# Altium PCB uTCA_MCH_PCB3.pcbdoc (part 22 of 25) (continued)
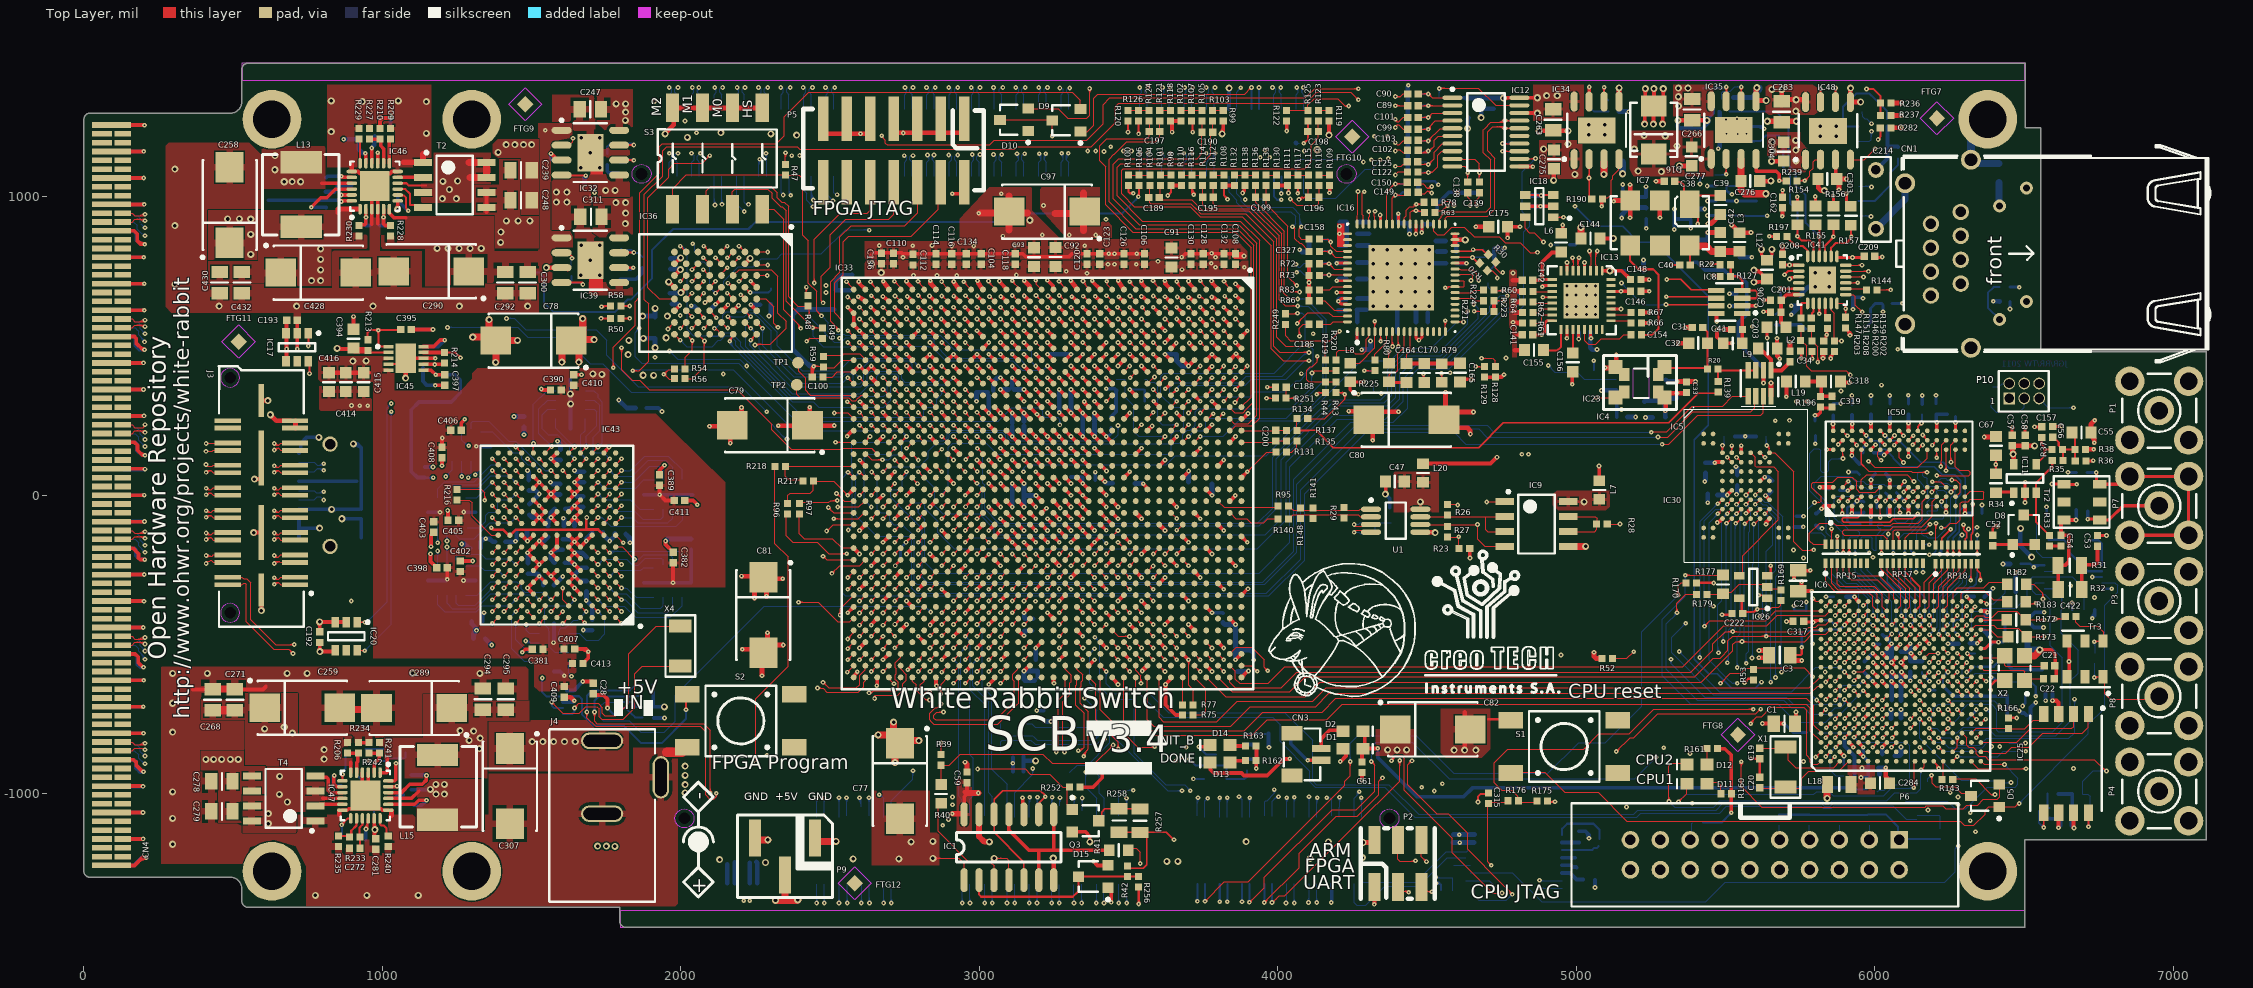
[diagram p0: Top Layer view]
## Nets (pads, with @x,y where several pads share a name; then routed paths per layer and width w, separated by ;. In a path a pad name is that pad's centre, name@x,y a point inside that pad or via, vN(x,y) a via of type N, cw(c..) or ccw(c..) an arc to the next point about the centre after c; other vN are vias at no path point) (continued)
  Bottom Layer w3.94: v1@4879.31,-1316.57 IC31.8@4952.2,-1316.57 ; v1@4880.41,-1320.99 cw(c4891.07,-1331.65) 4891.07,-1316.57 ; v1@4880.41,-1312.63 ccw(c4889.91,-1303.13) 4889.91,-1316.57
  other v1: 4876.23,-1316.81 4498.05,-1227.35
RS232_FPGA_TXD: IC31.7 P2.4 | length 775.6
  Top Layer w3.94: P2.4@4402.03,-1140.2 4402.03,-1219.63 4408.58,-1226.18 4459.33,-1226.18 v1(4460.98,-1224.53) ; 4442.74,-1226.18 ccw(c4442.74,-1206.29) v1@4456.8,-1220.35 ; 4450.71,-1226.18 cw(c4450.71,-1234.8) v1@4456.8,-1228.71 ; 4452.24,-1226.18 ccw(c4452.24,-1215.79) v1@4459.59,-1223.14
  MidLayer4 w3.94: v1@4460.32,-1225.85 4460.32,-1223.83 4484.06,-1200.09 4573.17,-1200.09 4663.05,-1289.97 v1@4875.24,-1289.97 ; v1@4460.98,-1218.62 ccw(c4460.98,-1207.65) 4468.74,-1215.41 ; v1@4466.89,-1224.53 cw(c4484.43,-1224.53) 4472.02,-1212.13 ; 4862.16,-1289.97 ccw(c4862.16,-1275.47) v1@4872.41,-1285.72 ; 4862.5,-1289.97 cw(c4862.5,-1303.99) v1@4872.41,-1294.08
  Bottom Layer w3.94: v1@4880.16,-1290.98 IC31.7@4952.2,-1290.98 ; v1@4880.77,-1294.08 cw(c4888.24,-1301.55) 4888.24,-1290.98 ; v1@4880.77,-1285.72 ccw(c4893.45,-1273.04) 4893.45,-1290.98
  other v1: 4876.59,-1289.9
RS232_MNG.RS232_MNG_RXD: IC31.13 J2.3 | length 508.2
  Bottom Layer w3.94: J2.3@4255.12,-1301.77 4255.12,-1365.56 4263.54,-1373.98 4293.95,-1373.98 4358.05,-1309.88 4471.81,-1309.88 4567.2,-1214.49 IC31.13@4629.96,-1214.49
RS232_MNG.RS232_MNG_TXD: IC31.14 J2.1 | length 406.8
  Bottom Layer w3.94: J2.1@4279.98,-1290.22 4285.88,-1296.12 4461.37,-1296.12 4563.42,-1194.07 4632.77,-1194.07 IC31.14@4639.32,-1187.52
RX_ER: IC6.N5 R146.1 R200.1 | length 2331.1
  Top Layer w3.94: R200.1@5826.57,517.2 5839,529.63 ; R200.1@5826.58,517.21 ccw(c5810.07,533.71) v1@5833.16,537.13 ; R200.1@5832.11,522.74 ccw(c5819.7,535.14) v1@5837.05,537.71 ; v1@5834.82,542.18 ccw(c5824.23,552.77) R146.1@5839.21,552.77 ; v1@5837.02,532.44 cw(c5836.02,529.63) 5839,529.63 ; R200.1@5837.64,528.27 ccw(c5829.34,536.57) v1@5840.95,538.29 ; R146.1@5839.21,551.74 ccw(c5852.74,551.74) v1@5843.18,542.18 ; R146.1@5839.21,559.76 5839.21,538.21 v1(5839,538) 5839,529.63 ; v1@5840.98,532.44 ccw(c5841.98,529.63) 5839,529.63 ; v1@6181.81,-755.37 cw(c6181.81,-769.63) 6191.89,-759.55 cw(c6201.97,-749.46) v1@6187.72,-749.46 ; v1(6181.81,-749.46) IC6.N5@6197.56,-765.21
  MidLayer1 w3.94: v1@5834.82,533.82 cw(c5824.74,523.74) 5839,523.74 cw(c5853.26,523.74) v1@5843.18,533.82 ; v1(5839,538) 5839,519.31 5868.84,489.47 6076.18,489.47 v1@6077.36,490.65 ; 6061.61,489.47 cw(c6061.61,473.61) v1@6072.82,484.82 ; 6063.88,489.47 ccw(c6063.88,502.12) v1@6072.82,493.18
  MidLayer4 w3.94: v1@6077,483.09 cw(c6077,468.84) 6087.08,478.92 cw(c6097.16,489) v1@6082.91,489 ; v1(6077,489) 6337.89,228.11 6401.23,228.11 6534.81,94.53 6534.81,-133.3 6494.86,-173.25 6494.86,-627.14 v1(6417,-705) ; v1@6417,-699.09 ccw(c6417,-684.84) 6427.08,-694.92 ccw(c6437.16,-705) v1@6422.91,-705
  Bottom Layer w3.94: v1@6181.81,-747.5 ccw(c6181.81,-737.46) 6188.91,-744.56 ; v1@6181.81,-743.56 ccw(c6181.81,-724.02) 6195.63,-737.84 ; v1@6184,-749.46 6198,-735.46 6198,-713.77 6211.52,-700.25 6250.5,-700.25 6262.75,-688 6400,-688 v1(6417,-705) ; v1@6187.72,-749.46 cw(c6196.69,-749.46) 6190.34,-743.12 ; v1@6411.09,-705 ccw(c6396.84,-705) 6406.92,-694.92 ccw(c6417,-684.84) v1@6417,-699.09
RXD0: IC6.N3 R151.1 R208.1 | length 2693.9
  Top Layer w3.94: R151.1@5789.02,558.66 5789.02,517.76 R208.1@5789.53,517.24 5808.86,497.91 5808.86,446.14 v1(5809,446) ; v1@5804.82,450.18 ccw(c5795.09,459.91) 5808.86,459.91 ; 5808.86,460.6 ccw(c5823.6,460.6) v1@5813.18,450.18 ; v1@6181.8,-818.36 cw(c6181.8,-832.64) 6191.9,-822.54 ; v1(6181.8,-812.45) IC6.N3@6197.56,-828.2 ; v1@6187.7,-812.45 ccw(c6201.93,-812.45) 6191.87,-822.52
  MidLayer2 w3.94: v1@5809.8,445.2 v1(5809,446) 5809,427.32 5818.39,417.93 5939.19,417.93 ; 5939.91,417.68 5974.6,383 6304.49,383 6434.76,252.73 6563.41,252.73 6619.45,196.69 6619.45,23.14 6686.8,-44.2 6686.8,-699.74 6557,-829.54 v1@6509.33,-829.54 ; v1@6509.14,-834.2 cw(c6520.38,-845.44) 6520.38,-829.54 ; v1@6509.14,-825.84 ccw(c6518.06,-816.92) 6518.06,-829.54
  Bottom Layer w3.94: v1@6181.8,-818.36 cw(c6181.8,-842.15) 6198.62,-825.33 ; v1@6181.8,-814.42 cw(c6181.8,-828.71) 6191.9,-818.61 ; v1(6181.8,-812.45) 6185.75,-812.45 6201.5,-828.2 6229.06,-828.2 6246.77,-845.92 6358.98,-845.92 6376.69,-828.2 6447.56,-828.2 6450.16,-830.81 v1@6506.54,-830.81 ; v1@6187.7,-812.45 ccw(c6192.43,-812.45) 6189.09,-815.8 ; 6488.8,-830.81 ccw(c6488.8,-813.86) v1@6500.78,-825.84 ; 6492.61,-830.81 cw(c6492.61,-842.37) v1@6500.78,-834.2
  other v1: 6504.96,-830.02
RXD1: IC6.P2 R147.1 R203.1 | length 2273.8
  Top Layer w3.94: R203.1@5752.91,518.43 5771,500.34 5771,433 5786.5,417.5 5903.5,417.5 v1(5918,403) ; R203.1@5753.19,518.7 R147.1@5753.19,558.9 ; v1@5912.09,403 ccw(c5897.84,403) 5907.92,413.08 ccw(c5918,423.16) v1@5918,408.91 ; v1@6213.31,-849.86 cw(c6213.31,-864.12) 6223.39,-854.03 cw(c6233.47,-843.95) v1@6219.21,-843.95 ; v1(6213.31,-843.95) IC6.P2@6229.06,-859.7
  MidLayer4 w3.94: v1@5919.13,405.63 5922.81,401.95 5934.93,401.95 5950.27,386.61 5950.27,315.69 5969.29,296.67 6241.31,296.67 6446.39,91.59 6446.39,-387.49 6446.41,-634.59 6390.47,-690.53 v1(6390.47,-841.98) ; v1@6386.3,-837.81 ccw(c6376.22,-827.73) 6390.47,-827.73 ccw(c6404.73,-827.73) v1@6394.65,-837.81
  Bottom Layer w3.94: v1@6213.31,-849.86 cw(c6213.31,-864.12) 6223.39,-854.03 cw(c6233.47,-843.95) v1@6219.21,-843.95 ; v1(6213.31,-843.95) 6227.09,-857.73 6380.63,-857.73 ; v1@6384.72,-843.34 cw(c6369.76,-846.86) 6380.63,-857.73 ; 6385.63,-852.74 ccw(c6377.85,-844.96) v1@6388.56,-842.44 ; v1@6390.47,-847.89 6380.63,-857.73
RXFD1_N: CN4.156 IC33.R34 | length 4151.4
  Top Layer w3.94: IC33.R34@3326.77,-610.24 3326.77,-612.18 3326.42,-612.54 3326.42,-634.54 3323.59,-637.37 3323.59,-703.37 3350.86,-730.64 3350.86,-843.94 ; v1@3330.54,-857.48 ccw(c3332.58,-846.71) 3340.34,-854.46 ; v1@3331.27,-853.61 ccw(c3334.27,-837.87) 3345.6,-849.2 ; v1@3332.01,-849.75 ccw(c3335.95,-829.03) 3350.86,-843.94 ; v1@3332.95,-857.6 3337.2,-857.6 3350.86,-843.94
  MidLayer4 w3.94: v1@206.59,-879.06 cw(c208.55,-885.35) 213.21,-880.69 ; v1@207.05,-874.53 213.21,-880.69 ; v1@210.73,-873.91 ccw(c219.29,-874.62) 213.21,-880.69 ; 1390.74,-1161.99 1521.59,-1292.84 1692.78,-1292.84 ; 1390.74,-1161.75 1371.28,-1142.29 1246.76,-1142.29 1170.55,-1218.5 822.83,-1218.5 625.28,-1020.94 394.17,-1020.94 253.92,-880.69 213.21,-880.69 ; 1693.21,-1292.41 2414.59,-1292.41 2583.55,-1123.45 2730.75,-1123.45 2766.32,-1087.88 2853.05,-1087.88 ; 2853.09,-1087.84 2867.01,-1087.84 2869.06,-1085.8 v1@2895.8,-1085.8 ; 2880.84,-1085.8 cw(c2880.84,-1101.76) v1@2892.12,-1090.47 ; 2883.24,-1085.8 ccw(c2883.24,-1073.24) v1@2892.12,-1082.12
  MidLayer2 w3.94: v1@204.84,-875.98 v1(204.84,-873.42) ; v1@2894.9,-1087.69 ccw(c2905.03,-1077.56) 2905.03,-1091.88 ; v1@2896.3,-1088.03 2900.15,-1091.88 2966.77,-1091.88 3085.62,-973.04 3221.89,-973.04 3330.9,-864.02 ; v1@2897.69,-1084.91 ccw(c2914.54,-1068.06) 2914.54,-1091.88 ; v1@2900.47,-1082.12 ccw(c2924.04,-1058.55) 2924.04,-1091.88 ; 3314.83,-880.09 ccw(c3290.3,-855.55) v1@3325,-855.55 ; 3321.55,-873.37 ccw(c3303.74,-855.55) v1@3328.93,-855.55 ; 3328.28,-866.65 ccw(c3317.18,-855.55) v1@3332.87,-855.55 ; v1@3328.86,-861.09 cw(c3327.78,-864.02) 3330.9,-864.02 ; v1(3330.9,-855.55) 3330.9,-864.02 ; v1@3332.94,-861.09 ccw(c3334.02,-864.02) 3330.9,-864.02
  Bottom Layer w3.94: CN4.156@129.92,-826.77 161.41,-826.77 170.71,-836.07 177.76,-836.07 189.47,-847.78 189.47,-858.74 v1@204.5,-873.76 ; 193.58,-862.85 ccw(c204.84,-851.59) v1@204.84,-867.51 ; 195.25,-864.52 cw(c186.34,-873.42) v1@198.94,-873.42
  other v1: 2896.29,-1086.3
RXFD1_P: CN4.157 IC33.R33 | length 4226
  Top Layer w3.94: IC33.R33@3326.77,-570.87 3326.77,-582.68 3346,-601.91 3346,-619.9 3340.79,-625.11 3340.79,-640.49 3337.96,-643.32 3337.96,-697.42 3365.23,-724.69 3365.23,-849.89 3361.02,-854.1 ; v1@3347.37,-872.01 3347.37,-867.76 3361.02,-854.1 ; v1@3347.48,-874.43 cw(c3358.26,-872.38) 3350.5,-864.62 ; v1@3351.35,-873.69 cw(c3367.1,-870.7) 3355.76,-859.36 ; v1@3355.22,-872.96 cw(c3375.94,-869.02) 3361.02,-854.1
  MidLayer4 w3.94: v1@203.33,-898.21 cw(c211.34,-906.22) 211.34,-894.9 ; v1@206.12,-901 cw(c220.84,-915.73) 220.84,-894.9 ; v1@208.9,-903.78 cw(c230.35,-925.23) 230.35,-894.9 ; v1@209.43,-894.9 248.03,-894.9 388.28,-1035.15 619.39,-1035.15 816.95,-1232.71 1176.43,-1232.71 1252.65,-1156.5 1365.39,-1156.5 1376.54,-1167.64 ; 1376.54,-1167.87 1515.71,-1307.05 1698.66,-1307.05 ; 1699.09,-1306.61 2420.47,-1306.61 2589.43,-1137.66 2736.63,-1137.66 2772.2,-1102.09 2858.94,-1102.09 ; 2866.4,-1102.05 cw(c2866.4,-1113.35) v1@2875.76,-1107.01 ; v1@2872.5,-1109.22 ccw(c2858.98,-1118.37) 2858.98,-1102.05 2873.52,-1102.05 v1(2877.39,-1105.91)
  MidLayer2 w3.94: v1@2877.88,-1106.41 2972.33,-1106.41 3091.5,-987.24 3227.77,-987.24 3340.95,-874.06 ; v1@2881.56,-1110.09 cw(c2890.44,-1118.97) 2890.44,-1106.41 ; v1@2881.56,-1101.73 ccw(c2892.84,-1090.45) 2892.84,-1106.41 ; 3324.88,-890.13 cw(c3349.42,-914.67) v1@3349.42,-879.97 ; 3331.6,-883.41 cw(c3349.42,-901.23) v1@3349.42,-876.03 ; 3338.32,-876.69 cw(c3349.42,-887.79) v1@3349.42,-872.09 ; v1@3343.87,-876.1 ccw(c3340.95,-877.18) 3340.95,-874.06 ; v1@3343.87,-872.02 cw(c3340.95,-870.94) 3340.95,-874.06 ; v1(3349.42,-874.06) 3340.95,-874.06
  Bottom Layer w3.94: CN4.157@129.92,-856.3 169.29,-856.3 183.07,-870.08 183.07,-880.28 ; 182.89,-880.14 v1@202.46,-899.71 ; 190.6,-887.85 ccw(c204.72,-873.72) v1@204.72,-893.7 ; 196.32,-893.57 cw(c190.29,-899.61) v1@198.82,-899.61 ; 197.32,-894.57 ccw(c204.72,-887.16) v1@204.72,-897.64
  other v1: 204.72,-899.61
RXFD2_N: CN4.144 IC33.T31 | length 4118.9
  Top Layer w3.94: v1(3267.72,-511.81) IC33.T31@3287.4,-492.13 ; v1@3267.72,-505.91 ccw(c3267.72,-491.65) 3277.8,-501.73 ccw(c3287.88,-511.81) v1@3273.62,-511.81
  MidLayer2 w3.94: v1@203.44,-523.05 ccw(c211.45,-515.04) 211.45,-526.36 ; v1(204.83,-521.65) 209.54,-526.36 306.2,-526.36 850.91,-1071.06 1061.62,-1071.06 1100.8,-1110.24 ; v1@206.23,-520.26 ccw(c220.95,-505.53) 220.95,-526.36 ; v1@209.01,-517.48 ccw(c230.46,-496.03) 230.46,-526.36 ; 1100.8,-1111.03 1124.41,-1134.65 1433.39,-1134.65 1502.2,-1203.46 1799.29,-1203.46 ; 1799.33,-1203.5 1860.26,-1203.5 ; 1860.34,-1203.58 2013.58,-1203.58 2069,-1259 2288,-1259 2312,-1235 2312,-1213.91 2496.38,-1029.53 2837.3,-1029.53 3014.96,-851.86 3209.59,-851.86 3261.81,-799.64 3261.81,-665.35 3280.51,-646.65 3280.51,-524.61 v1(3267.72,-511.81) ; v1@3267.72,-517.72 cw(c3267.72,-531.97) 3277.8,-521.89 cw(c3287.88,-511.81) v1@3273.62,-511.81
  Bottom Layer w3.94: CN4.144@129.92,-472.44 161.41,-472.44 170.71,-481.74 179.73,-481.74 189.47,-491.48 189.47,-504.41 v1@204.83,-519.77 ; 193.42,-508.36 cw(c180.13,-521.65) v1@198.93,-521.65 ; 197.97,-512.9 ccw(c204.83,-506.03) v1@204.83,-515.75 ; 200.14,-515.08 cw(c193.57,-521.65) v1@202.87,-521.65
RXFD2_P: CN4.145 IC33.T30 | length 4146.4
  Top Layer w3.94: v1(3267.72,-472.44) IC33.T30@3287.4,-452.76 ; v1@3267.72,-466.54 ccw(c3267.72,-452.28) 3277.8,-462.36 ccw(c3287.88,-472.44) v1@3273.62,-472.44
  MidLayer2 w3.94: v1(204.72,-549.21) 204.72,-545.27 208.23,-541.76 213.16,-541.76 ; 214.36,-540.57 300.32,-540.57 845.02,-1085.27 1055.74,-1085.27 1086.59,-1116.12 ; 1086.59,-1116.92 1118.53,-1148.85 1427.5,-1148.85 1496.32,-1217.67 1793.41,-1217.67 ; 1793.45,-1217.71 1854.38,-1217.71 ; 1854.46,-1217.79 2007.7,-1217.79 2063.12,-1273.2 2293.88,-1273.2 2326.2,-1240.88 2326.2,-1219.79 2502.26,-1043.73 2843.18,-1043.73 3020.85,-866.06 3215.47,-866.06 3276.02,-805.52 3276.02,-671.24 3294.72,-652.54 3294.72,-518.72 3289.15,-513.15 3289.15,-493.87 v1(3267.72,-472.44) ; v1@3267.72,-478.35 cw(c3267.72,-492.6) 3277.8,-482.52 cw(c3287.88,-472.44) v1@3273.62,-472.44
  Bottom Layer w3.94: CN4.145@129.92,-501.97 171.56,-501.97 180.27,-510.67 ; 178.53,-508.94 183.07,-513.47 183.07,-523.01 204.72,-544.67 v1(204.72,-549.21) ; 191.43,-531.37 cw(c173.59,-549.21) v1@198.82,-549.21 ; 198.15,-538.09 cw(c187.03,-549.21) v1@202.76,-549.21
RXFD3_N: CN4.132 IC33.W32 | length 3958.8
  Top Layer w3.94: v1(3149.61,-551.18) IC33.W32@3169.29,-531.5 ; v1@3149.61,-545.28 ccw(c3149.61,-531.02) 3159.69,-541.1 ccw(c3169.77,-551.18) v1@3155.51,-551.18
  MidLayer2 w3.94: v1(204.83,-167.32) 209.54,-172.03 226.36,-172.03 ; v1@206.4,-166.12 ccw(c218.37,-156.94) 218.37,-172.03 ; v1@209.52,-163.73 ccw(c226.35,-150.81) 226.35,-172.03 ; v1(3149.61,-551.18) 3150.33,-551.18 3162.94,-538.57 3167.5,-538.57 3184.02,-555.09 3184.02,-633.98 3049.72,-768.28 2958.1,-768.28 2785.43,-940.94 2383.26,-940.94 2214.95,-1109.25 1905.48,-1109.25 1895.84,-1099.61 1666.95,-1099.61 1578.79,-1011.46 1300.39,-1011.46 1141.43,-852.49 854.46,-852.49 579.17,-577.2 579.17,-524.84 226.36,-172.03 ; v1@3149.61,-545.28 ccw(c3149.61,-529.27) 3160.92,-540.59 ; v1@3155.51,-551.18 cw(c3168.02,-551.18) 3159.18,-542.33
  Bottom Layer w3.94: CN4.132@129.92,-118.11 161.41,-118.11 170.71,-127.41 177.76,-127.41 189.47,-139.12 189.47,-150.07 v1@204.83,-165.44 ; 193.42,-154.03 cw(c180.13,-167.32) v1@198.93,-167.32 ; 197.97,-158.57 ccw(c204.83,-151.7) v1@204.83,-161.42 ; 200.14,-160.75 cw(c193.57,-167.32) v1@202.87,-167.32
RXFD3_P: CN4.133 IC33.W31 | length 3991.8
  Top Layer w3.94: v1(3149.61,-511.81) IC33.W31@3169.29,-492.13 ; v1@3149.61,-505.91 ccw(c3149.61,-491.65) 3159.69,-501.73 ccw(c3169.77,-511.81) v1@3155.51,-511.81
  MidLayer2 w3.94: v1(204.72,-190.94) 209.43,-186.24 220.47,-186.24 ; v1@206.55,-191.68 cw(c214.63,-194.95) 214.63,-186.24 ; v1@210.2,-193.16 cw(c220.47,-197.32) 220.47,-186.24 ; v1@3149.27,-515.5 3158.14,-524.37 ; v1@3149.61,-517.72 cw(c3149.61,-522.26) 3152.82,-519.05 ; v1(3149.61,-511.81) v1@3151.77,-513.97 ; v1@3151.5,-512.35 ccw(c3158.64,-514.37) 3153.39,-519.62 ; v1@3155.29,-513.42 ccw(c3166.03,-516.47) 3158.13,-524.36 ; 220.47,-186.24 564.96,-530.72 564.96,-583.08 848.57,-866.69 1135.54,-866.69 1294.51,-1025.66 1572.91,-1025.66 1661.06,-1113.82 1889.96,-1113.82 1899.6,-1123.46 2220.83,-1123.46 2389.14,-955.15 2791.32,-955.15 2963.99,-782.48 3055.61,-782.48 3198.22,-639.86 3198.22,-549.21 3173.38,-524.37 3158.14,-524.37
  Bottom Layer w3.94: CN4.133@129.92,-147.64 171.56,-147.64 180.27,-156.34 ; 178.53,-154.61 183.07,-159.14 183.07,-169.29 v1(204.72,-190.94) ; v1@198.82,-190.94 ccw(c184.56,-190.94) 194.64,-180.86 ccw(c204.72,-170.78) v1@204.72,-185.04
RXFD4_N: CN4.120 IC33.Y34 | length 4147.1
  Top Layer w3.94: 2861.47,-710.09 ccw(c2850.2,-698.82) v1@2866.14,-698.82 ; 2863.15,-708.41 cw(c2872.04,-717.3) v1@2872.04,-704.72 ; v1(2872.04,-698.82) 2872.04,-699.51 2859.55,-712.01 2851.95,-712.01 2837.22,-726.74 2833.01,-730.95 2833.01,-752.6 2837.22,-756.81 2847.22,-766.81 3061.34,-766.81 3127.45,-700.7 3131.66,-696.49 3131.66,-613.92 3129.92,-612.18 IC33.Y34@3129.92,-610.24
  MidLayer2 w3.94: v1@203.44,185.62 ccw(c211.45,193.62) 211.45,182.3 ; v1(204.83,187.01) 209.54,182.3 272.16,182.3 396.6,57.86 443.95,57.86 518.15,-16.34 518.15,-115.63 572.72,-170.2 678.13,-170.2 702.98,-195.06 702.98,-229.47 1013.93,-540.42 1013.93,-576.28 1358.91,-921.26 1807.49,-921.26 1907.42,-1021.19 2166.44,-1021.19 2317.55,-870.08 2690.94,-870.08 2770.11,-790.91 2805.12,-790.91 2857.76,-738.28 2857.76,-734.76 ; v1@206.23,188.4 ccw(c220.96,203.13) 220.96,182.3 ; v1@209.01,191.18 ccw(c230.46,212.63) 230.46,182.3 ; 2857.84,-734.68 2857.84,-719.13 2857.84,-711.06 v1@2868.85,-700.05 ; 2858.61,-710.29 cw(c2872.04,-723.72) v1@2872.04,-704.72 ; 2863.35,-705.55 ccw(c2856.61,-698.82) v1@2866.14,-698.82 ; 2865.33,-703.56 cw(c2872.04,-710.27) v1@2872.04,-700.79 ; v1@2869.83,-701.03 2872.04,-703.24 v1(2872.04,-698.82)
  Bottom Layer w3.94: CN4.120@129.92,236.22 161.41,236.22 170.71,226.92 177.76,226.92 189.47,215.21 189.47,204.26 v1@204.83,188.89 ; 193.42,200.3 cw(c180.13,187.01) v1@198.93,187.01 ; 197.96,195.76 ccw(c204.83,202.63) v1@204.83,192.91 ; 200.14,193.58 cw(c193.57,187.01) v1@202.87,187.01
RXFD4_P: CN4.121 IC33.Y33 | length 4085.8
  Top Layer w3.94: v1@2875.74,-730.55 ccw(c2865.66,-740.63) 2865.66,-726.38 ccw(c2865.66,-712.12) v1@2875.74,-722.2 ; v1(2879.92,-726.38) 2857.91,-726.38 2847.38,-736.9 2847.38,-746.65 2853.17,-752.44 3055.39,-752.44 3117.29,-690.54 3117.29,-623.43 3112.5,-618.64 3112.5,-599.78 3129.07,-583.21 IC33.Y33@3129.07,-575.13
  MidLayer2 w3.94: v1@203.33,164.78 cw(c211.34,156.77) 211.34,168.09 ; v1(204.72,163.39) 209.43,168.09 266.28,168.09 390.71,43.66 438.07,43.66 503.94,-22.22 503.94,-121.51 566.84,-184.41 672.24,-184.41 688.78,-200.94 688.78,-235.35 999.72,-546.3 999.72,-582.17 1353.02,-935.46 1801.61,-935.46 1901.54,-1035.39 2172.32,-1035.39 2323.43,-884.28 2696.83,-884.28 2775.99,-805.12 2811,-805.12 2874.89,-741.23 ; v1@206.12,161.99 cw(c220.84,147.26) 220.84,168.09 ; v1@208.9,159.21 cw(c230.35,137.76) 230.35,168.09 ; 2874.89,-741.15 2877.95,-738.08 v1@2877.95,-726.38 ; v1@2875.74,-730.55 cw(c2870.4,-735.9) 2877.95,-735.9 ; 2877.95,-738.25 cw(c2884.93,-738.25) v1@2882.22,-731.82
  Bottom Layer w3.94: CN4.121@129.92,206.69 171.56,206.69 180.27,197.99 ; 178.53,199.72 183.07,195.19 183.07,185.04 v1(204.72,163.39) ; v1@198.82,163.39 ccw(c184.56,163.39) 194.64,173.47 ccw(c204.72,183.55) v1@204.72,169.29
RXFD5_N: CN4.108 IC33.Y27 | length 4339.2
  Top Layer w3.94: v1(3110.24,-354.33) IC33.Y27@3129.92,-334.65 ; v1@3110.24,-348.43 ccw(c3110.24,-334.17) 3120.32,-344.25 ccw(c3130.4,-354.33) v1@3116.14,-354.33
  MidLayer2 w3.94: v1@203.44,539.95 ccw(c211.45,547.96) 211.45,536.63 ; v1(204.83,541.34) 209.54,536.63 599.2,536.63 1024.92,110.91 1024.92,-450.16 1432.05,-857.28 1664.37,-857.28 1888.54,-857.28 1901.72,-844.11 2221.08,-844.11 2263.93,-801.26 2405.43,-801.26 ; v1@206.23,542.73 ccw(c220.96,557.46) 220.96,536.63 ; v1@209.01,545.51 ccw(c230.46,566.96) 230.46,536.63 ; 2405.51,-801.18 2574.7,-801.18 2782.48,-593.4 2782.48,-590.99 ; 2782.48,-590.55 2782.48,-585.25 2791.24,-576.5 2800.37,-576.5 2815.4,-561.47 2819.88,-556.99 2819.88,-545.07 2828.53,-536.42 2840.45,-536.42 2859.25,-517.62 2859.25,-505.7 2867.9,-497.05 2878.94,-497.05 2897.64,-478.35 2897.64,-470.09 2908.09,-459.65 2916.34,-459.65 2937.99,-437.99 2937.99,-429.74 2947.46,-420.28 2955.23,-420.28 2964.55,-410.95 ; 2964.63,-410.95 2977.36,-398.22 2977.36,-390.37 2986.83,-380.91 2997.43,-380.91 3001.92,-385.4 3017.72,-385.4 3022.21,-380.91 3036.8,-380.91 3041.29,-385.4 3061.07,-385.4 3065.57,-380.91 3076.17,-380.91 ; 3076.13,-380.87 v1@3102.59,-354.41 ; 3087.25,-369.76 cw(c3110.24,-392.74) v1@3110.24,-360.24 ; 3093.97,-363.04 cw(c3110.24,-379.3) v1@3110.24,-356.3 ; 3100.69,-356.32 cw(c3110.24,-365.86) v1@3110.24,-352.36
  Bottom Layer w3.94: CN4.108@129.92,590.55 161.41,590.55 170.71,581.26 179.73,581.26 189.47,571.52 189.47,558.59 v1@204.83,543.22 ; 193.42,554.63 cw(c180.13,541.34) v1@198.93,541.34 ; 197.97,550.09 ccw(c204.83,556.96) v1@204.83,547.24 ; 200.14,547.91 cw(c193.57,541.34) v1@202.87,541.34
RXFD5_P: CN4.109 IC33.Y28 | length 4256.4
  Top Layer w3.94: v1(3110.24,-393.7) IC33.Y28@3129.92,-374.02 ; v1@3110.24,-387.8 ccw(c3110.24,-373.54) 3120.32,-383.62 ccw(c3130.4,-393.7) v1@3116.14,-393.7
  MidLayer2 w3.94: v1(202.76,513.78) 202.76,517.72 206.27,521.23 213.16,521.23 ; 214.36,522.42 593.31,522.42 1010.72,105.02 1010.72,-456.04 1426.16,-871.49 1894.43,-871.49 1907.6,-858.31 2226.96,-858.31 2269.81,-815.46 2411.32,-815.46 ; 2411.4,-815.39 2580.59,-815.39 2792.63,-603.35 2800.58,-603.35 2809.21,-594.71 2809.21,-587.74 2831.01,-565.94 2840.76,-565.94 2850.87,-555.84 2850.87,-546.09 2870.38,-526.57 2880.13,-526.57 2888.78,-517.93 2888.78,-507.29 2907.68,-488.39 2915.53,-488.39 2927.17,-476.76 2927.17,-468.91 2950.21,-445.87 2958.06,-445.87 2965.55,-438.37 2965.55,-430.04 2970.43,-425.16 ; 2970.51,-425.16 2984.48,-411.19 2992.73,-411.19 3004.32,-399.61 3017.72,-399.61 3024.61,-406.5 3036.8,-406.5 3042.51,-400.78 3058.26,-400.78 3063.98,-406.5 3076.17,-406.5 3083.76,-398.9 ; 3083.82,-398.9 3089.02,-393.7 v1(3110.24,-393.7) ; v1@3106.06,-397.88 ccw(c3095.98,-407.96) 3095.98,-393.7 ccw(c3095.98,-379.44) v1@3106.06,-389.52
  Bottom Layer w3.94: CN4.109@129.92,561.02 171.26,561.02 179.13,553.15 ; 178.53,554.06 183.07,549.52 183.07,537.4 v1@202.76,517.72 ; 189.89,530.58 cw(c173.08,513.78) v1@196.85,513.78 ; 196.61,523.86 cw(c186.53,513.78) v1@200.79,513.78 ; 199.4,521.07 ccw(c202.76,524.43) v1@202.76,519.68
RXFD6_N: CN4.96 IC33.T25 | length 4711.1
  Top Layer w3.94: v1(3267.72,-275.59) IC33.T25@3287.4,-255.91 ; v1@3267.72,-269.69 ccw(c3267.72,-255.43) 3277.8,-265.51 ccw(c3287.88,-275.59) v1@3273.62,-275.59
  MidLayer2 w3.94: v1@203.33,894.88 ccw(c212.8,904.34) 212.8,890.96 ; v1(204.72,896.27) 204.72,895.67 209.43,890.96 248.21,890.96 271.39,867.79 297.37,867.79 311.14,854.02 467.25,854.02 638.2,683.07 894.65,683.07 1146.09,431.62 1146.09,-360.66 1525.59,-740.16 1927.12,-740.16 1937.95,-729.33 1951.81,-729.33 1961.44,-738.96 2444.11,-738.96 2577.24,-605.83 2612.16,-605.83 2625,-592.98 2625,-585.25 2632.5,-577.76 2640.23,-577.76 2644.62,-573.36 ; v1@206.11,897.66 ccw(c222.3,913.85) 222.3,890.96 ; v1@208.9,900.45 ccw(c231.8,923.35) 231.8,890.96 ; 2644.71,-573.36 2664.37,-553.7 2664.37,-545.88 2671.87,-538.39 2679.35,-538.39 2702.29,-515.45 2702.29,-504.25 2710.94,-495.6 2722.5,-495.6 2733.07,-485.03 2817.05,-401.05 2817.05,-387.95 2833.45,-371.55 2846.55,-371.55 2909.64,-308.46 2940.56,-308.46 2950,-299.01 2960.43,-299.01 2979.33,-280.11 2979.33,-270.29 2986.83,-262.8 3000.98,-262.8 3005.91,-267.72 3021.28,-267.72 3026.2,-262.8 3040.35,-262.8 3045.28,-267.72 3060.65,-267.72 3065.57,-262.8 3081.69,-262.8 3086.61,-267.72 3208.24,-267.72 ; 3208.24,-267.26 3220.02,-255.48 ; 3220.07,-255.48 3222.04,-253.51 3234.71,-253.51 3246.49,-265.29 ; 3247.42,-266.22 3256.38,-266.22 ; 3259.03,-268.87 cw(c3252.31,-275.59) v1@3261.81,-275.59 ; v1@3266.9,-269.74 cw(c3265.17,-257.43) 3256.38,-266.22 ; v1@3267.72,-277.56 3256.38,-266.22
  Bottom Layer w3.94: CN4.96@129.92,944.88 161.41,944.88 170.71,935.59 179.73,935.59 189.47,925.85 189.47,912.92 ; 190.07,910.32 v1@204.72,895.67 ; 193.62,906.78 ccw(c204.72,917.88) v1@204.72,902.18 ; 195.07,905.33 cw(c186.01,896.27) v1@198.82,896.27
RXFD6_P: CN4.97 IC33.U25 | length 4582.1
  Top Layer w3.94: v1(3228.35,-275.59) IC33.U25@3248.03,-255.91 ; v1@3228.35,-269.69 ccw(c3228.35,-255.43) 3238.43,-265.51 ccw(c3248.51,-275.59) v1@3234.25,-275.59
  MidLayer2 w3.94: v1(204.72,869.64) 204.72,872.04 208.24,875.56 213.05,875.56 214.25,876.75 242.33,876.75 265.5,853.58 291.49,853.58 305.26,839.81 461.37,839.81 632.31,668.87 888.76,668.87 1131.89,425.74 1131.89,-366.55 1519.71,-754.36 1929.52,-754.36 1937.95,-762.8 1951.81,-762.8 1961.44,-753.17 2449.99,-753.17 2583.13,-620.03 2617.8,-620.03 ; 2618.04,-620.03 2634.72,-603.35 2643.1,-603.35 2650.59,-595.85 2650.59,-587.56 2673.19,-564.96 2681.48,-564.96 2689.96,-556.48 2689.96,-547.87 2712.7,-525.13 2723.17,-525.13 2731.82,-516.48 2731.82,-506.37 2743.11,-495.08 2820.87,-417.32 2826.59,-411.59 2842.41,-411.59 2857.09,-396.91 2857.09,-381.09 2915.53,-322.66 2942.36,-322.66 2947.46,-327.76 2958.06,-327.76 2967.05,-318.76 2967.05,-312.48 2991.14,-288.39 2999.44,-288.39 3005.91,-281.92 3019.73,-281.92 3026.2,-288.39 3038.81,-288.39 3045.28,-281.92 3059.1,-281.92 3065.57,-288.39 3080.15,-288.39 3086.61,-281.92 3216.91,-281.92 ; 3220.58,-278.25 cw(c3224.6,-282.27) v1@3227.38,-277.31 ; v1@3225.46,-280.74 ccw(c3221.96,-286.97) 3216.91,-281.92 ; v1(3228.35,-275.59) 3223.24,-275.59 3216.91,-281.92
  Bottom Layer w3.94: CN4.97@129.92,915.35 161.41,915.35 167.32,915.35 178.53,904.15 178.53,891.08 193.63,875.98 v1@204.72,875.98
RXFD7_N: IC33.AL33 J3.3 | length 2518.6
  Top Layer w3.94: v1(637.8,-276.62) 643.21,-282.03 652.41,-282.03 ; v1@639.7,-276.13 ccw(c647.33,-274.15) 647.33,-282.03 ; v1@643.51,-275.14 ccw(c652.41,-272.84) 652.41,-282.03 ; J3.3@707.29,-275 659.44,-275 652.41,-282.03 ; v1(2677.17,-590.55) IC33.AL33@2696.85,-570.87 ; v1@2677.17,-584.65 ccw(c2677.17,-570.39) 2687.25,-580.47 ccw(c2697.33,-590.55) v1@2683.07,-590.55
  MidLayer3 w3.94: 623.58,-312.97 623.58,-324.78 ; v1@631.89,-276.62 cw(c617.63,-276.62) 627.71,-286.7 cw(c637.8,-296.78) v1@637.8,-282.52 ; v1(637.8,-276.62) 623.59,-290.82 623.59,-324.79 ; v1@2671.26,-590.55 cw(c2657,-590.55) 2667.08,-600.63 cw(c2677.17,-610.71) v1@2677.17,-596.46 ; v1(2677.17,-590.55) 2652.01,-615.71 2652.01,-622.38 2620.41,-653.98 2527.56,-653.98 2478.78,-702.76 2049.23,-702.76 2002.42,-655.94 1620.1,-655.94 1538.96,-574.8 873.6,-574.8 623.59,-324.79
RXFD7_P: IC33.AM33 J3.1 | length 2513.5
  Top Layer w3.94: v1(637.8,-298.38) 643.21,-292.97 652.41,-292.97 ; v1@639.7,-298.87 cw(c647.33,-300.85) 647.33,-292.97 ; v1@643.51,-299.86 cw(c652.41,-302.16) 652.41,-292.97 ; J3.1@707.29,-300 659.44,-300 652.41,-292.97 ; v1(2637.8,-590.55) IC33.AM33@2657.48,-570.87 ; v1@2637.8,-584.65 ccw(c2637.8,-570.39) 2647.88,-580.47 ccw(c2657.96,-590.55) v1@2643.7,-590.55
  MidLayer3 w3.94: v1@633.62,-302.56 cw(c623.54,-312.64) 637.8,-312.64 cw(c652.05,-312.64) v1@641.97,-302.56 ; v1(637.8,-298.38) 637.8,-318.9 879.49,-560.59 1040.71,-560.59 1046.69,-554.61 1046.69,-542.94 1052.68,-536.95 1064.65,-536.95 1070.63,-542.94 1070.63,-554.61 1076.61,-560.59 1141.54,-560.59 1147.52,-554.61 1147.52,-542.94 1153.5,-536.95 1165.47,-536.95 1171.46,-542.94 1171.46,-554.61 1177.44,-560.59 1252.76,-560.59 1258.74,-554.61 1258.74,-546.87 1264.72,-540.89 1276.69,-540.89 1282.68,-546.87 1282.68,-554.61 1288.66,-560.59 1544.84,-560.59 1625.98,-641.73 2008.31,-641.73 2055.12,-688.54 2472.89,-688.54 2521.67,-639.76 2614.53,-639.76 2637.8,-616.5 v1(2637.8,-590.55) ; v1@2633.62,-594.73 cw(c2623.54,-604.81) 2637.8,-604.81 cw(c2652.05,-604.81) v1@2641.97,-594.73
RXFD8_N: IC33.AE29 J3.5 | length 3263.4
  Top Layer w3.94: v1@636.02,-227.49 cw(c644.24,-231.45) 644.24,-222.32 ; v1@638.85,-222.32 656.77,-222.32 ; v1@639.57,-229.2 cw(c650.5,-234.46) 650.5,-222.32 ; v1@643.12,-230.91 cw(c656.77,-237.47) 656.77,-222.32 ; J3.5@707.29,-225 659.44,-225 656.77,-222.32 ; v1(2913.39,-433.07) IC33.AE29@2933.07,-413.39 ; v1@2913.39,-427.17 ccw(c2913.39,-412.91) 2923.47,-422.99 ccw(c2933.55,-433.07) v1@2919.29,-433.07
  MidLayer3 w3.94: 629.38,-221.65 599.21,-221.65 576.14,-244.72 576.14,-526.51 738.17,-688.54 1328.31,-688.54 1502.76,-862.99 1837.81,-862.99 1852.38,-848.43 2007.87,-848.43 2059.26,-797.04 2389.56,-797.04 2412.97,-773.62 2608.99,-773.62 2677.09,-705.53 2677.09,-610.29 2803.05,-484.33 2891.65,-484.33 2899.61,-476.38 2899.61,-468.13 2913.27,-454.46 2913.27,-446.97 ; 631.18,-221.74 v1(637.79,-228.35) ; v1@2909.31,-437.35 cw(c2900.26,-446.85) 2913.39,-446.85 ; v1(2913.39,-433.07) 2913.39,-446.85 ; v1@2917.46,-437.35 ccw(c2926.51,-446.85) 2913.39,-446.85